# Altium PCB Kasli-DIOT.PCBDOC (part 20 of 21) (continued)
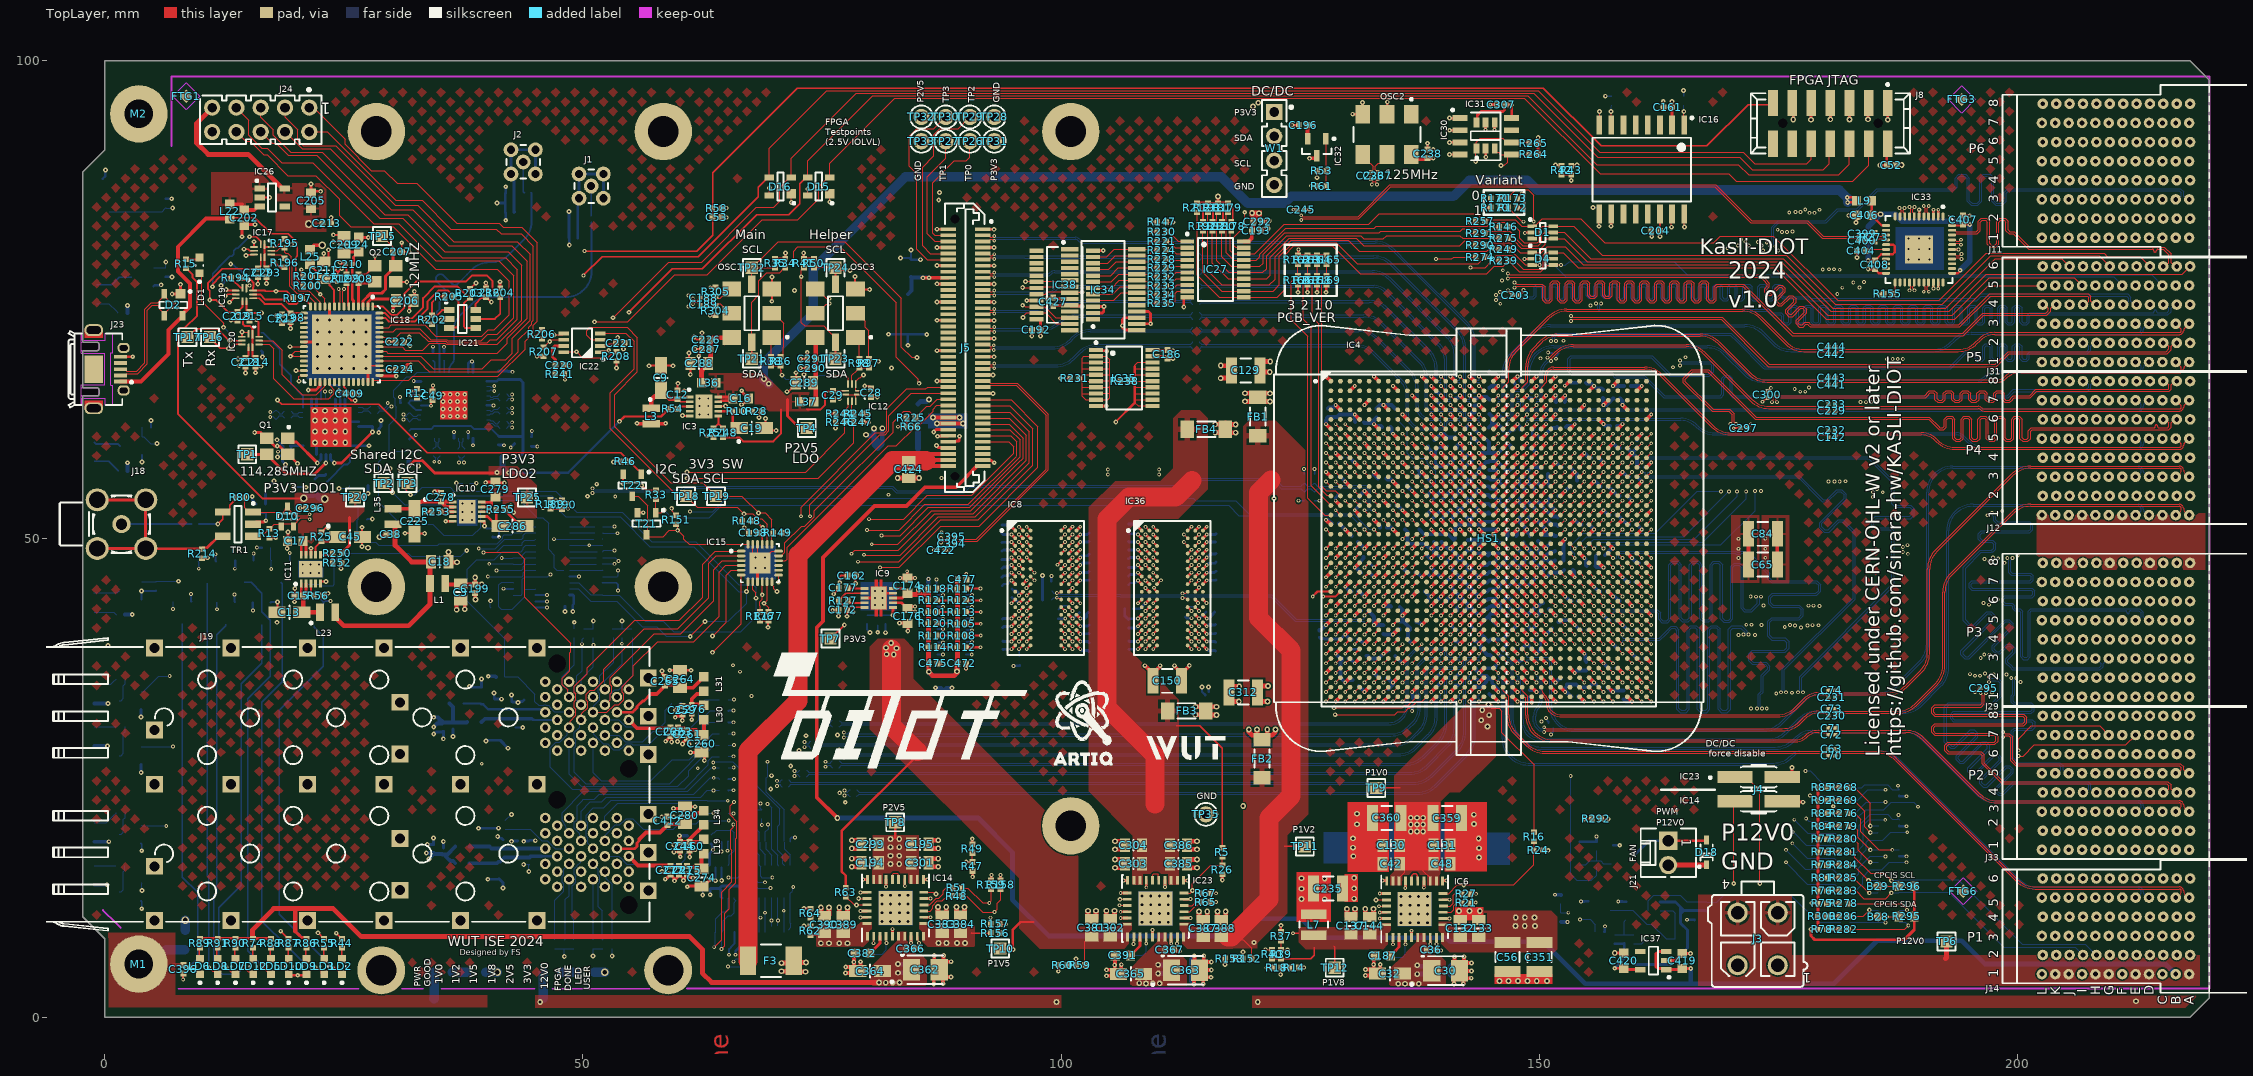
[diagram p0: TopLayer view]
## Nets (pads, with @x,y where several pads share a name; then routed paths per layer and width w, separated by ;. In a path a pad name is that pad's centre, name@x,y a point inside that pad or via, vN(x,y) a via of type N, cw(c..) or ccw(c..) an arc to the next point about the centre after c; other vN are vias at no path point) (continued)
  BottomLayer w1: M1.1@3.57,5.55 4.923,5.55 6.427,7.054 R68.1@8.385,7.054 ; 34.425,1.95 34.45,1.95 R72.2@34.45,4.7
SYSEN_N: IC4.AP3 R286.1 R300.1 | length 64.7
  TopLayer w0.127: v1(129.7,33) IC4.AP3@130.2,33.5 ; R300.1@180.065,10.539 v2(180.72,10.539) R286.1@181.375,10.539
  Layer 5 w0.127: v1(129.7,33) 129.7,32.075 129.95,31.825 129.95,30.5 129.95,28.761 134.959,23.752 142.834,23.752 146.281,20.305 170.954,20.305 v2(180.72,10.539)
TxD_2V5: IC4.U9 IC20.4 TP17.1 | length 146.1
  TopLayer w0.127: v1(135.7,50) IC4.U9@136.2,50.5
  TopLayer w0.15: TP17.1@8.65,71.1 9.55,72 11.775,72 v2(13.036,70.739) IC20.4@14.34,70.739
  Layer 3 w0.1: v2(13.036,70.739) 17.315,70.739 17.864,71.287 20.751,74.175 28.525,74.175 28.96,74.61 31.365,74.61 31.466,74.509 31.814,74.509 32.673,73.65 33.6,73.65 36.525,70.725 43.95,70.725 45.175,69.5 48.425,69.5 51.175,66.75 61.55,66.75 65.775,70.975 78.525,70.975 80.9,68.6 v2(80.9,68.575)
  layer 8 w0.1: v2(80.9,68.575) 80.9,67.225 84.95,63.175 97.175,63.175 104.25,56.1 119.855,56.1 121.85,54.105 121.85,54.059 122.084,53.825 122.13,53.825 124.255,51.7 125.955,50 v1(135.7,50)
UART.CTS1: IC4.AL4 J5.63 | length 101.3
  TopLayer w0.127: v6(78.075,48.45) 78.425,48.8 82.95,48.8 86.792,52.642 90.791,52.642 96.358,58.209 96.358,60.842 94.566,62.634 91.863,62.634 J5.63@91.8,62.697 ; v1(130.7,36) IC4.AL4@131.2,36.5
  Layer 6 w0.127: v6(78.075,48.45) 76.7,48.45 73.848,45.598 73.848,41.877 81.716,34.009 93.334,34.009 93.4,34.075 110.925,34.075 112.525,35.675 122.625,35.675 122.9,35.4 130.1,35.4 v1(130.7,36)
UART.CTS2: IC4.AK8 J5.69 | length 108.7
  TopLayer w0.127: v6(79.693,50.925) 83.05,50.925 85.748,53.623 90.285,53.623 95.281,58.619 95.377,58.715 95.377,60.148 94.733,60.792 J5.69@91.8,60.792 ; v1(134.7,37) IC4.AK8@135.2,37.5
  Layer 6 w0.127: v6(79.693,50.925) 76.875,50.925 72.222,46.272 72.222,41.203 80.775,32.65 112.125,32.65 113.075,33.6 133.814,33.6 134.325,34.111 134.325,36.625 v1(134.7,37)
UART.RTS1: IC4.AL3 J5.61 | length 100.3
  TopLayer w0.127: v6(79.375,48.35) 79.425,48.3 83.15,48.3 87.165,52.315 91.04,52.315 96.685,57.96 96.685,61.19 94.606,63.269 91.863,63.269 J5.61@91.8,63.332 ; v1(129.7,36) IC4.AL3@130.2,36.5
  Layer 6 w0.127: v6(79.375,48.35) 79.05,48.025 76.8,48.025 74.219,45.444 74.219,42.031 81.175,35.075 97.063,35.075 97.638,34.5 110.475,34.5 111.877,35.902 123.098,35.902 123.364,35.636 128.851,35.636 129.214,36 v1(129.7,36)
UART.RTS2: IC4.AJ8 J5.71 | length 113.1
  TopLayer w0.127: v6(79.9,52.07) 79.927,52.043 83.518,52.043 86.02,54.545 90.65,54.545 95.05,58.945 95.05,59.65 94.543,60.157 J5.71@91.8,60.157 ; IC4.AJ8@135.2,38.5 v1(135.7,39)
  Layer 6 w0.127: v6(79.9,52.07) 77.395,52.07 71.78,46.455 71.78,41.02 80.775,32.025 112.8,32.025 114,33.225 116.5,33.225 117.7,32.025 124.925,32.025 126.263,33.363 134.838,33.363 135.275,33.8 135.275,37.089 135.375,37.189 135.375,37.45 135.336,37.489 135.336,38.636 v1(135.7,39)
UART.RX1: IC4.AK6 J5.59 | length 103
  TopLayer w0.127: v6(78.754,47.625) 83.044,47.625 87.407,51.988 91.313,51.988 97.012,57.687 97.012,61.538 94.646,63.904 91.863,63.904 J5.59@91.8,63.967 ; v1(132.7,37) IC4.AK6@133.2,37.5
  Layer 6 w0.127: v6(78.754,47.625) 77.05,47.625 74.679,45.254 74.679,42.221 81.43,35.47 100.83,35.47 101.1,35.2 110.1,35.2 111.105,36.205 113.415,36.205 113.619,36.409 131.431,36.409 131.514,36.493 131.668,36.493 131.811,36.636 131.851,36.636 132.214,37 v1(132.7,37)
UART.RX2: IC4.AL7 J5.67 | length 105.6
  TopLayer w0.127: v6(81.2,50.35) 83.175,50.35 86.121,53.296 90.421,53.296 95.512,58.388 95.608,58.483 95.704,58.579 95.704,60.371 94.647,61.427 J5.67@91.8,61.427 ; v1(133.7,36) IC4.AL7@134.2,36.5
  Layer 6 w0.127: v6(81.2,50.35) 77.05,50.35 72.752,46.052 72.752,41.423 81.025,33.15 111.375,33.15 112.25,34.025 122.5,34.025 122.838,34.363 132.888,34.363 133.232,34.707 133.232,35.532 v1(133.7,36)
UART.TX1: IC4.AK5 J5.57 | length 102.9
  TopLayer w0.127: v6(81.051,47.025) 83.089,47.025 87.414,51.35 91.425,51.35 97.569,57.494 97.569,61.731 94.761,64.539 91.863,64.539 J5.57@91.8,64.602 ; v1(131.7,37) IC4.AK5@132.2,37.5
  Layer 6 w0.127: v6(81.051,47.025) 76.975,47.025 75.05,45.1 75.05,42.375 80.725,36.7 86.3,36.7 87.303,35.697 91.463,35.697 91.866,36.1 106.875,36.1 108.175,37.4 113.85,37.4 114.614,36.636 131.336,36.636 v1(131.7,37)
UART.TX2: IC4.AJ6 J5.65 | length 111.3
  TopLayer w0.127: v6(80.193,49.45) 82.925,49.45 86.444,52.969 90.556,52.969 95.744,58.156 95.839,58.252 95.935,58.348 96.031,58.444 96.031,60.519 94.551,61.999 91.863,61.999 J5.65@91.8,62.062 ; v1(132.7,38) IC4.AJ6@133.2,38.5
  Layer 6 w0.127: v6(80.193,49.45) 76.95,49.45 73.318,45.818 73.318,41.657 81.35,33.625 109.725,33.625 109.825,33.725 111.225,33.725 112.432,34.932 116.182,34.932 116.5,35.25 122.45,35.25 123.075,34.625 129.925,34.625 130.725,35.425 131.639,35.425 132.063,35.849 132.063,35.878 132.739,36.554 132.804,36.554 133.05,36.8 133.05,36.864 133.804,37.618 133.832,37.618 134.3,38.086 134.3,39.2 133.975,39.525 132.675,39.525 132.175,39.025 132.175,38.525 v1(132.7,38)
USB_D_R_N: D2.3 IC18.7 J23.2 | length 41.1
  TopLayer w0.129: J23.2@1.65,67.1 2.125,67.1 2.322,67.297 3.431,67.297 4.446,68.312 4.446,73.916 4.957,74.427 5.518,74.427 5.752,74.193 5.752,73.992 D2.3@6.222,73.523 ; D2.3@6.222,73.323 D2.3@6.222,73.523 ; v6(7.55,74.19) 7.477,74.19 7.355,74.312 7.007,74.312 6.501,73.806 6.501,73.802 D2.3@6.222,73.523 ; IC18.7@25.015,74.308 25.015,74.622 24.893,74.744 24.893,75.331 24.882,75.342 24.882,75.913 25.019,76.05 v1(25.019,76.124)
  layer 8 w0.102: v6(7.55,74.19) 7.623,74.19 7.759,74.326 8.475,74.326 11.899,77.75 18.55,77.75 19.129,77.171 26.675,77.171 26.9,76.946 26.9,75.623 26.127,74.85 25.369,74.85 24.854,75.365 24.854,75.915 25.019,76.08 v1(25.019,76.124)
USB_D_R_P: D2.2 IC18.8 J23.3 | length 42.2
  TopLayer w0.129: J23.3@1.65,67.75 2.125,67.75 2.322,67.553 3.325,67.553 4.19,68.418 4.19,74.022 4.851,74.683 5.518,74.683 5.752,74.917 5.752,74.953 D2.2@6.222,75.423 ; D2.2@6.222,75.623 D2.2@6.222,75.423 ; v6(7.55,74.69) 7.477,74.69 7.363,74.577 7.011,74.577 6.457,75.131 6.457,75.187 6.278,75.366 6.222,75.366 D2.2@6.222,75.423 ; v1(24.46,76.124) 24.46,76.078 24.626,75.913 24.626,75.236 24.637,75.225 24.637,74.744 24.515,74.622 IC18.8@24.515,74.308
  layer 8 w0.102: v6(7.55,74.69) 7.623,74.69 7.759,74.555 8.38,74.555 11.804,77.979 18.645,77.979 19.224,77.4 26.77,77.4 27.129,77.041 27.129,75.528 26.222,74.621 25.274,74.621 24.625,75.27 24.625,75.915 24.46,76.08 v1(24.46,76.124)
USB_TCK: IC17.9 IC18.12 R195.1 | length 9.9
  TopLayer w0.125: IC17.9@17.41,80.137 18.034,80.137 18.326,80.429 R195.1@18.796,80.429 ; R195.1@18.818,80.407 18.818,79.957 18.9,79.875 19.126,79.875 19.296,79.705 19.475,79.526 19.475,79.1 19.625,78.95 19.625,76.591 20.27,75.946 21.336,75.946 22.515,74.767 IC18.12@22.515,74.308
USB_TDI_DO: IC17.8 IC18.13 R196.1 | length 8.5
  TopLayer w0.125: IC17.8@17.41,79.737 18.396,79.737 R196.1@18.796,79.337 19.325,78.808 19.325,76.433 20.066,75.692 21.037,75.692 22.015,74.714 IC18.13@22.015,74.308
USB_TDO_DI: IC18.14 IC19.9 R197.1 | length 7.1
  TopLayer w0.2: IC19.9@15.505,75.565 16.26,75.565 16.797,75.028 18.825,75.028 19.304,74.549 20.028,74.549 R197.1@20.663,75.184 20.766,75.184 21.515,74.435 IC18.14@21.515,74.308
USB_TMS: IC18.15 IC19.8 R198.1 | length 6
  TopLayer w0.2: IC19.8@15.505,75.165 16.129,75.165 16.719,74.575 18.478,74.575 R198.1@19.431,73.622 19.445,73.608 IC18.15@20.815,73.608
VCCAUX: C55.2 C98.2 C117.2 C118.2 C119.2 C151.2 C152.2 C158.2 C235.2 C240.2 C313.2 C314.2 C368.2 C369.2 C370.2 C371.2 C372.2 IC4.AA13 IC4.AA23 IC4.AB12 IC4.AB22 IC4.AC13 IC4.AC23 IC4.AD12 IC4.M22 IC4.N13 IC4.N23 IC4.P12 IC4.P22 IC4.R13 IC4.R23 IC4.T12 IC4.T22 IC4.U13 IC4.U23 IC4.V12 IC4.V22 IC4.W13 IC4.W23 IC4.Y12 IC4.Y22 L4.1 L7.2 | length 43.8
  TopLayer w0.4: v1(138.7,43) IC4.AD12@139.2,43.5 ; v1(138.7,45) IC4.AB12@139.2,45.5 ; v1(138.7,47) IC4.Y12@139.2,47.5 ; v1(138.7,49) IC4.V12@139.2,49.5 ; v1(138.7,52) IC4.T12@139.2,51.5 ; v1(138.7,54) IC4.P12@139.2,53.5 ; v1(139.7,44) IC4.AC13@140.2,44.5 ; v1(139.7,46) IC4.AA13@140.2,46.5 ; v1(139.7,48) IC4.W13@140.2,48.5 ; v1(139.7,51) IC4.U13@140.2,50.5 ; v1(139.7,53) IC4.R13@140.2,52.5 ; v1(139.7,55) IC4.N13@140.2,54.5 ; IC4.AB22@149.2,45.5 v1(149.7,45) ; IC4.Y22@149.2,47.5 v1(149.7,47) ; IC4.V22@149.2,49.5 v1(149.7,49) ; IC4.T22@149.2,51.5 v1(149.7,52) ; IC4.P22@149.2,53.5 v1(149.7,54) ; IC4.M22@149.2,55.5 v1(149.7,56) ; IC4.AC23@150.2,44.5 v1(150.7,44) ; IC4.AA23@150.2,46.5 v1(150.7,46) ; IC4.W23@150.2,48.5 v1(150.7,48) ; IC4.U23@150.2,50.5 v1(150.7,51) ; IC4.R23@150.2,52.5 v1(150.7,53) ; IC4.N23@150.2,54.5 v1(150.7,55)
  BottomLayer w0.4: L4.1@135.95,51 136.2,50.75 136.2,49.76 136.46,49.5 137.966,49.5 138.376,49.09 138.61,49.09 v1(138.7,49) C118.2@139.075,48.625 ; v1(138.7,43) v1(139.7,44) ; v1(138.7,47) v1(139.7,46) 139.667,46 139.5,46.167 139.167,46.5 C119.2@139.05,46.5 ; v1(138.7,52) v1(139.7,53) ; v1(138.7,54) v1(139.7,55) ; C118.2@138.95,48.5 139.2,48.5 139.5,48.2 v1(139.7,48) ; v1(149.7,47) v1(150.7,48) ; v1(149.7,49) 149.85,48.85 150,48.7 150,48.525 C369.2@150.025,48.525 ; v1(149.7,52) v1(150.7,51) 150.7,50.781 150.493,50.574 C152.2@150.493,50.418 151.463,50.418 151.588,50.293 C151.2@151.743,50.293 ; v1(149.7,56) 150.2,55.5 C372.2@150.35,55.5 ; C371.2@150.35,53.5 150.325,53.5 149.825,54 v1(149.7,54) v1(150.7,53) 151.365,52.335 151.815,52.335 C314.2@151.925,52.225 ; v1(150.7,46) 150.748,46 150.983,46.234 ; C368.2@151.05,46.5 152.328,46.5 C240.2@152.599,46.771 ; C158.2@151.625,47.75 151.55,47.675 150.95,47.675 150.7,47.925 v1(150.7,48) ; C313.2@151.625,48.725 151.56,48.66 151.081,48.66 150.7,48.279 v1(150.7,48)
  other v3: 127.55,12.325 125.125,12.35 127.55,13.4 125.125,13.425 127.55,14.5 125.125,14.525
VCCBRAM: C56.2 C99.2 C120.2 C121.2 C122.2 C132.2 C133.2 C145.2 C351.2 C353.2 C354.2 IC4.AA21 IC4.AB20 IC4.AC21 IC4.M20 IC4.N21 IC4.P20 IC4.R21 IC4.T20 IC4.U21 IC4.V20 IC4.W21 IC4.Y20 IC6.1 IC6.32 R31.2 | length 71.1
  TopLayer w0.4: IC4.AB20@147.2,45.5 v1(147.7,45) ; IC4.Y20@147.2,47.5 v1(147.7,47) ; IC4.V20@147.2,49.5 v1(147.7,49) ; IC4.T20@147.2,51.5 v1(147.7,52) ; IC4.P20@147.2,53.5 v1(147.7,54) ; IC4.M20@147.2,55.5 v1(147.7,56) ; IC4.AC21@148.2,44.5 v1(148.7,44) ; IC4.AA21@148.2,46.5 v1(148.7,46) ; IC4.W21@148.2,48.5 v1(148.7,48) ; IC4.U21@148.2,50.5 v1(148.7,51) ; IC4.R21@148.2,52.5 v1(148.7,53) ; IC4.N21@148.2,54.5 v1(148.7,55)
  Layer 6 w0.4: v1(148.7,55) 148.2,54.5 148.2,20 148.975,19.225 148.975,9.525
  BottomLayer w0.4: v1(147.7,49) v1(148.7,48) 148.375,47.675 148.375,47.5 C122.2@148.35,47.5 148.211,47.5 147.711,47 v1(147.7,47) v1(148.7,46) v1(147.7,45) v1(148.7,44) ; C99.2@148.35,53.5 C99.2@148.375,53.5 ; C354.2@148.375,56.5 148.2,56.5 v1(147.7,56) 148.199,55.501 148.199,55.499 148.697,55 v1(148.7,55) v1(147.7,54) v1(148.7,53) v1(147.7,52) v1(148.7,51) 148.7,50.742 148.993,50.449 C145.2@148.993,50.293 ; v1(151.625,12.8) 152.225,12.8 R31.2@152.25,12.775
  other v3: 147.495,9.537 148.47,9.537 149.554,9.537 147.531,10.426 148.481,10.426 149.481,10.426
VREF_DDR3: C162.2 C163.2 C164.2 C165.2 C166.2 C167.2 C168.2 C169.2 C177.2 IC4.AA7 IC4.AH8 IC4.AJ3 IC4.Y6 IC8.H1 IC8.M8 IC9.6 IC36.H1 IC36.M8 | length 137.1
  TopLayer w0.2: C177.2@77.594,44.825 78.469,44.825 ; v2@78.469,45.325 78.469,44.825 ; v2(78.494,45.35) 78.494,46.094 C162.2@78.575,46.175 ; IC9.6@79.419,44.825 78.469,44.825
  TopLayer w0.24: v1(129.7,38) IC4.AJ3@130.2,38.5 ; v1(132.7,47) IC4.Y6@133.2,47.5 ; v1(134.7,39) IC4.AH8@135.2,39.5
  TopLayer w0.3: v1(94.8,45.672) IC8.H1@95.2,45.272 ; IC8.M8@100.8,42.078 v1(101.2,41.678) ; v1(108.025,45.672) IC36.H1@108.425,45.272 ; IC36.M8@114.025,42.078 v1(114.425,41.678)
  TopLayer w0.4: v1(133.7,46) IC4.AA7@134.2,46.5
  Layer 6 w0.2: 96.175,45.3 96.202,45.273 96.567,45.273 ; 113.289,41.297 114.031,41.297
  Layer 6 w0.254: v2(78.494,45.35) 94.478,45.35 94.5,45.372 v1(94.8,45.672) 95.172,45.3 96.175,45.3 ; 96.567,45.273 96.569,45.275 96.9,45.275 97.35,44.825 99.8,44.825 100.531,44.094 102.156,44.094 102.886,43.364 ; v1(101.2,41.678) 102.886,43.364 ; 107.425,45.55 107.425,44.75 108.333,43.842 109.682,43.842 110.334,43.19 110.334,42.416 111.45,41.3 113.275,41.3 113.284,41.291 ; v1(108.025,45.672) 105.195,45.672 102.886,43.364 ; 114.031,41.297 114.412,41.678 v1(114.425,41.678)
  layer 8 w0.24: v2(78.494,45.35) 79.1,44.744 79.1,38.85 82.475,35.475 130.791,35.475 131.175,35.859 131.175,38.5 ; v1(129.7,38) 129.73,38 130.23,38.5 131.175,38.5 ; v1(132.7,47) v1(133.7,46) 134.147,45.553 134.147,39.553 v1(134.7,39) 134.2,38.5 131.175,38.5
  BottomLayer w0.24: C164.2@93.825,45.1 94.015,45.29 94.396,45.29 94.778,45.672 v1(94.8,45.672) ; C166.2@107.054,45.225 107.231,45.401 107.724,45.401 107.995,45.672 v1(108.025,45.672) ; v1(129.7,38) 130.158,38.458 131.144,38.458 C168.2@131.244,38.358 ; C163.2@132.243,47.507 132.243,47.482 132.7,47.025 v1(132.7,47) ; v1(134.7,39) 135.169,39.469 135.171,39.469 C167.2@135.361,39.659
  BottomLayer w0.3: v1(101.2,41.678) 101.21,41.687 101.262,41.687 C169.2@101.9,42.325 ; v1(114.425,41.678) 114.435,41.687 114.462,41.687 C165.2@115.15,42.375
VTT_DDR3: C173.2 C174.2 C471.2 C472.2 C473.2 C474.2 C475.2 C476.2 C477.2 C478.2 IC9.3 IC9.5 R101.2 R102.2 R103.2 R104.2 R105.2 R106.2 R107.2 R108.2 R109.2 R110.2 R111.2 R112.2 R113.2 R114.2 R115.2 R116.2 R117.2 R118.2 R119.2 R120.2 R121.2 R122.2 R123.2 R124.2 R126.2 R298.2 | length 68.7
  TopLayer w0.3: IC9.3@82.419,43.825 83.39,43.825 C174.2@83.886,44.321 ; IC9.5@82.419,44.825 83.381,44.825 C174.2@83.886,44.321 ; C174.2@83.936,44.321 C174.2@83.886,44.321
  TopLayer w0.5: C174.2@83.936,44.321 84.056,44.2 85.097,44.2 ; v3(85.1,44.725) 85.097,44.722 85.097,44.2 ; R118.2@86.11,44.81 86.138,44.782 86.138,44.2 ; C477.2@89.19,45.762 89.172,45.744 89.172,37.009 C472.2@89.153,36.991 89.093,36.931 89.093,35.993 88.8,35.7 86.522,35.7 86.522,35.739 86.166,36.095 v3(86.166,36.122) C475.2@86.166,36.981 86.138,37.009 86.138,44.2 ; 85.097,44.2 86.138,44.2
  Layer 6 w0.2: 94.5,46.074 94.632,46.074 94.634,46.072 95.228,46.072 95.25,46.05
  Layer 6 w0.3: v1(86.125,45.8) 86.125,46.5 86.625,47 92.85,47 93.776,46.074 94.5,46.074 ; 95.25,46.05 95.407,46.05 95.42,46.037 95.895,46.037 96.858,47 97.725,47 98.05,46.675 v5(98.05,46.175)
  BottomLayer w0.3: v5(98.05,46.175) 98.063,46.162 98.063,45.562 C471.2@98.075,45.55 98.065,45.54 98.065,43.635 R298.2@98.055,43.625
  BottomLayer w0.5: v3(85.1,44.725) 85.127,44.725 85.394,44.992 86.051,44.992 C473.2@86.111,45.052 ; C473.2@86.111,45.052 C473.2@86.111,45.052 ; v1(86.125,45.8) 86.11,45.785 C473.2@86.111,45.052 ; C476.2@89.19,45.762 89.172,45.744 89.172,37.009 C478.2@89.153,36.991 89.153,36.053 88.8,35.7 86.522,35.7 86.185,36.037 86.185,36.103 v3(86.166,36.122) 86.166,36.926 86.138,36.954 86.138,37.902 R115.2@86.11,37.93 R119.2@86.11,42.91 R111.2@86.11,44.155 C473.2@86.111,45.052
  other v3: 89.121,36.161
VUSB_PRESENT: IC18.11 R200.2 R201.2 T14.1 | length 30.2
  TopLayer w0.125: R201.2@21.679,77.47 21.679,76.434 22.528,75.585 v2(22.531,75.585) 23.015,75.101 IC18.11@23.015,74.308
  layer 8 w0.125: v2(22.531,75.585) 21.71,75.585 18.75,72.625 18.75,67.675 19.3,67.125 19.3,59.775 23.788,55.287 v2(24.487,55.287)
  BottomLayer w0.125: v2@24.487,55.252 v2(24.487,55.287) 25.387,55.287 25.625,55.525 T14.1@25.625,55.575
XADC_GND: C51.1 C339.1 IC4.T17 IC4.U17 IC4.U18 IC4.V17 IC4.V18 L5.2 | length 15
  TopLayer w0.4: v1(143.7,49) IC4.V17@144.2,49.5 ; v1(143.7,51) IC4.U17@144.2,50.5 ; v1(143.7,52) IC4.T17@144.2,51.5 ; IC4.V18@145.2,49.5 v1(145.7,49) ; IC4.U18@145.2,50.5 v1(145.7,51)
  Layer 3 w0.4: v1(143.7,49) v1(145.7,49) v1(145.7,51) v1(143.7,51) v1(143.7,52)
  BottomLayer w0.4: C339.1@142.55,49.9 L5.2@144,49.9 143.7,49.6 v1(143.7,49) ; v1(143.7,51) v1(145.7,51)
XADC_VCC: C51.2 C339.2 IC4.T18 L4.2 | length 11
  TopLayer w0.4: IC4.T18@145.2,51.5 v1(145.7,52)
  BottomLayer w0.4: L4.2@137.45,51 137.95,50.5 140.45,50.5 C339.2@141.05,49.9 141.2,50.05 141.2,51.207 141.493,51.5 143.907,51.5 144.212,51.805 C51.2@144.796,51.805 145.505,51.805 v1(145.7,52)
pads on no net: D1.3 D4.5 D6.5 FTG1.1 FTG2.1 FTG3.1 FTG4.1 FTG5.1 FTG6.1 IC1.1 IC1.7 IC1.8 IC1.11 IC1.13 IC1.21 IC1.28 IC1.29 IC1.30 IC1.33 IC2.2 IC2.3 IC2.4 IC2.9 IC2.11 IC2.12 IC2.13 IC2.14 IC2.15 IC2.27 IC2.30 IC2.33 IC2.34 IC2.35 IC3.4 IC4.A2 IC4.A3 IC4.A4 IC4.A5 IC4.A7 IC4.A8 IC4.A9 IC4.A10 IC4.A25 IC4.A27 IC4.A28 IC4.A29 IC4.A30 IC4.A32 IC4.A33 IC4.A34 IC4.AA4 IC4.AB11 IC4.AC11 IC4.AD8 IC4.AD9 IC4.AD10 IC4.AD11 IC4.AD23 IC4.AE6 IC4.AE8 IC4.AE10 IC4.AE11 IC4.AF4 IC4.AF7 IC4.AF9 IC4.AF10 IC4.AF12 IC4.AF24 IC4.AG7 IC4.AG9 IC4.AG10 IC4.AG11 IC4.AG12 IC4.AH9 IC4.AH11 IC4.AJ5 IC4.AJ24 IC4.AJ25 IC4.AJ26 IC4.AJ30 IC4.AK11 IC4.AK25 IC4.AK26 IC4.AK27 IC4.AK31 IC4.AL24 IC4.AL25 IC4.AL27 IC4.AM4 IC4.AM25 IC4.AM26 IC4.AN26 IC4.AN31 IC4.AP25 IC4.AP26 IC4.AP31 IC4.B1 IC4.B2 IC4.B4 IC4.B5 IC4.B6 IC4.B7 IC4.B9 IC4.B10 IC4.B11 IC4.B25 IC4.B26 IC4.B27 IC4.B29 IC4.B30 IC4.B31 IC4.B32 IC4.B34 IC4.C1 IC4.C2 IC4.C3 IC4.C4 IC4.C6 IC4.C7 IC4.C8 IC4.C9 IC4.C11 IC4.C26 IC4.C27 IC4.C28 IC4.C29 IC4.C31 IC4.C32 IC4.C33 IC4.C34 IC4.D1 IC4.D3 IC4.D4 IC4.D5 IC4.D6 IC4.D8 IC4.D9 IC4.D10 IC4.D11 IC4.D24 IC4.D25 IC4.D26 IC4.D28 IC4.D29 IC4.D30 IC4.D31 IC4.D33 IC4.D34 IC4.E1 IC4.E2 IC4.E3 IC4.E5 IC4.E6 IC4.E7 IC4.E8 IC4.E10 IC4.E11 IC4.E25 IC4.E26 IC4.E27 IC4.E28 IC4.E30 IC4.E31 IC4.E32 IC4.E33 IC4.F4 IC4.F5 IC4.F7 IC4.F8 IC4.F9 IC4.F10 IC4.F24 IC4.F25 IC4.F27 IC4.F28 IC4.F29 IC4.F30 IC4.F32 IC4.F33 IC4.F34 IC4.G14 IC4.G20 IC4.H12 IC4.H14 IC4.H20 IC4.L7 IC4.L23 IC4.M4 IC4.M5 IC4.M6 IC4.M7 IC4.M9 IC4.M26 IC4.N3 IC4.P9 IC4.R3 IC4.R7 IC4.R11 IC4.T2 IC4.T3 IC4.T4 IC4.T5 IC4.T24 IC4.U2 IC4.U7 IC4.U24 IC4.V24 IC4.V31 IC4.V32 IC4.V33 IC4.V34 IC4.W5 IC4.W24 IC4.W25 IC4.W28 IC4.W29 IC4.Y11 IC4.Y25 IC4.Y26 IC4.Y27 IC4.Y28 IC8.J1 IC8.J9 IC8.L1 IC8.L9 IC8.M7 IC10.4 IC11.4 IC16.3 IC16.4 IC16.5 IC16.6 IC16.11 IC16.12 IC16.13 IC18.17 IC18.18 IC18.19 IC18.20 IC18.25 IC18.26 IC18.29 IC18.30 IC18.34 IC18.35 IC18.37 IC18.38 IC18.39 IC18.40 IC18.54 IC24.11 IC24.14 IC24.19 IC25.11 IC25.14 IC25.19 IC26.4 IC31.7 IC33.1 IC33.11 IC33.13 IC33.19 IC33.20 IC33.21 IC33.24 IC33.25 IC33.28 IC33.33 IC33.35 IC33.36 IC34.1 IC34.2 IC34.3 IC34.4 IC34.5 IC34.11 IC34.14 IC34.19 IC34.20 IC36.J1 IC36.J9 IC36.L1 IC36.L9 IC36.M7 IC37.4 IC38.1 IC38.13 IC38.14 IC38.15 IC38.16 IC38.17 J5.16 J5.22 J5.24 J5.28 J5.30 J5.34 J5.36 J5.38 J5.40 J5.44 J5.46 J5.48 J5.50 J5.62 J5.73 J5.75 J5.P1 J5.P2 J8.12 J8.14 J8.15 J8.16 J14.E4 J14.F4 J14.K2 J19.MECH1 J19.MECH2 J19.MECH3 J19.MECH4 J23.4 J23.PastePad J33.A1 J33.B1 J33.B2 J33.C2 J33.D1 J33.E1 J33.E2 J33.F2 J33.G1 J33.H1 J33.H2 J33.I2 J33.J1 J33.K1 J33.K2 J33.L2 LD11.3 LD13.3 LD14.3 LD15.3 LD16.3 LD17.3 LD18.3 OSC2.1

## Polygon pours and split planes (outlines as drawn)
no net on TopLayer "Copper_balancing" (solid, pour order 454): 0.05,98.725 219.339,98.725 220.089,97.975 220.089,2.24 0.05,2.24 0.05,8.175 -2.25,10.475 -2.25,88.35 0.05,90.65
P3V3_LDO1 on TopLayer "P3V3_LDO1_L01_P399" (solid, pour order 399): 19.85,54.85 27.15,54.85 27.15,52.875 26,51.725 23.09,51.725 23.09,51.015 21.425,49.35 19.85,49.35
P1V0 on TopLayer "P1V0" (solid, remove dead copper, pour order 338): 134.825,21.85 134.825,25.225 142.272,32.672 145.119,32.672 145.45,32.341 145.45,32.13 145.45,27.25 141.7,23.5 140.65,23.5 139.65,22.5 139.65,21.65
P1V2 on TopLayer "P1V2_L01_P430" (solid, remove dead copper, pour order 430): 120.5,7.2 120.5,7.75 123.625,10.875 123.625,19.025 125.825,21.225 125.825,25.7 125.825,58.975 122.425,62.375 119.625,62.375 119.05,61.8 119.05,10.8 117.5,9.25 117.5,7.2
P12V0 on TopLayer "P12V0_L01_P350" (solid, remove dead copper, pour order 350): 219.05,2.9 219.025,2.925 166.6,2.925 166.6,12.8 176.4,12.8 176.4,6.5 219.05,6.5
P1V8 on TopLayer "P1V8_L01_P427" (solid, remove dead copper, pour order 427): 134.462,9.809 134.462,9.081 134.158,8.777 134.158,7.612 133.663,7.117 125.558,7.117 124.825,7.85 124.825,9.417 132.913,9.417 133.313,9.817
P3V3_LDO2 on TopLayer "P3V3_LDO2_L01_P398" (solid, pour order 398): 40.15,52.1 45.15,52.1 45.15,55.6 43.15,57.6 40.15,57.6
P1V5 on TopLayer "P1V5_L01_P428" (solid, remove dead copper, pour order 428): 101.8,7.175 97.75,7.175 95.625,9.3 95.625,14.5 80,30.125 80,38.725 80.825,39.55 83.575,39.55 84.55,38.575 84.55,35.4 101.8,18.15 101.8,9.475
P2V5_LDO on TopLayer "P2V5_LDO_L01_P353" (solid, remove dead copper, pour order 353): 63.15,67.35 63.15,65.6 63.9,64.85 63.9,64.35 67.15,64.35 67.4,64.1 68.65,64.1 69.4,63.35 73.65,63.35 73.65,65.35 70.9,65.35 68.9,67.35
P5V0_CLK on TopLayer "P5V0_CLK_L01_P446" (solid, remove dead copper, pour order 446): 85.175,9.942 85.175,9.214 85.48,8.91 85.48,7.953 86.047,7.386 90.886,7.386 90.95,7.45 90.95,9.55 86.725,9.55 86.325,9.95
MGTAVCC on TopLayer "MGTAVCC_L01_P441" (solid, pour order 441): 107.453,13.85 107.502,19.125 112.3,19.125 112.3,13.869
P1V0 on TopLayer "P1V0_L01_P437" (solid, remove dead copper, pour order 437): 134.38,13.792 139.562,13.792 139.562,14.917 139.646,15.001 139.646,15.86 134.803,15.86 134.8,15.863 134.8,15.275 134.38,14.855
GND on TopLayer "GND_L01_P440" (solid, pour order 440): 173.275,52.475 173.275,45.375 176.15,45.375 176.125,52.475
P2V5 on TopLayer "P2V5_L01_P438" (solid, pour order 438): 170.05,52.476 170.05,45.4 172.975,45.4 172.975,52.476
MGTAVCC on TopLayer "MGTAVCC_L01_P431" (solid, remove dead copper, pour order 431): 112.3,18.9 112.3,33.2 107.225,38.275 107.225,51.125 108.2,52.1 112.25,52.1 115.35,55.2 115.35,62.6 114.475,63.475 112.575,63.475 111.7,62.6 111.7,57.375 110.375,56.05 105.65,56.05 102.9,53.3 102.9,23.61 107.525,18.9
P12V0 on TopLayer "P12V0_L01_P420" (solid, remove dead copper, pour order 420): 82.85,8.925 82.857,8.918 82.857,7.982 80.037,5.163 80.037,3.533 80.412,3.158 85.687,3.158 85.937,3.408 85.937,5.958 85.387,6.508 84.888,6.508 84.308,7.088 84.308,7.772 84.069,7.772 83.8,8.041 83.8,8.925
P12V0 on TopLayer "P12V0_L01_P418" (solid, pour order 418): 137.138,8.792 137.145,8.785 137.145,7.849 134.325,5.03 134.325,3.4 134.7,3.025 139.975,3.025 140.225,3.275 140.225,5.825 139.675,6.375 139.176,6.375 138.596,6.955 138.596,7.639 138.357,7.639 138.087,7.908 138.087,8.792
P12V0 on TopLayer "P12V0_L01_P419" (solid, pour order 419): 110.05,8.85 110.057,8.843 110.057,7.907 107.238,5.087 107.238,3.458 107.613,3.083 112.888,3.083 113.138,3.333 113.138,5.883 112.588,6.433 112.088,6.433 111.508,7.013 111.508,7.697 111.269,7.697 111,7.966 111,8.85
P3V3 on TopLayer "P3V3_L01_P426" (solid, remove dead copper, pour order 426): 80.175,9.942 80.175,9.214 79.87,8.91 79.87,7.953 79.303,7.386 74.464,7.386 74.4,7.45 74.4,9.55 78.625,9.55 79.025,9.95
P1V5 on TopLayer "P1V5_L01_P422" (solid, remove dead copper, pour order 422): 107.375,9.867 107.375,9.139 107.07,8.835 107.07,7.67 106.575,7.175 101.8,7.175 101.6,7.375 101.6,9.475 105.825,9.475 106.225,9.875
P1V2 on TopLayer "P1V2_L01_P421" (solid, remove dead copper, pour order 421): 112.375,9.867 112.375,9.139 112.68,8.835 112.68,7.67 113.175,7.175 117.95,7.175 118.15,7.375 118.15,9.475 113.925,9.475 113.525,9.875
P2V5 on TopLayer "P2V5_L01_P413" (solid, pour order 413): 80.253,13.925 80.3,19 85.1,19 85.1,13.944
VCCBRAM on TopLayer "VCCBRAM_L01_P417" (solid, remove dead copper, pour order 417): 139.462,11.125 139.462,9.05 139.738,8.775 139.738,7.687 140.65,6.775 151.55,6.775 151.875,7.1 151.875,10.5 151.25,11.125
NetC202_2 on TopLayer "NETC202_2_L01_P352" (solid, remove dead copper, pour order 352): 17.15,88.35 11.15,88.35 11.15,83.85 17.15,83.85
P3V3_USB on TopLayer "P3V3_USB_L01_P351" (solid, pour order 351): 23.15,82.1 17.876,82.1 17.876,87.202 23.15,87.202
GND on TopLayer "GND_L01_P416" (solid, remove dead copper, pour order 416): 202,52.7 202,46.775 219.775,46.775 219.775,52.7
STRIP1 on TopLayer "esd1" (solid, pour order 404): 217.533,1 217.55,1 218.79,2.24 120,2.24 120,1
STRIP3 on TopLayer "NONET_L04_P-001" (solid, remove dead copper, pour order 408): 0.361,2.161 0.361,8.84 7.35,8.84 7.35,2.19
STRIP2 on TopLayer "STRIP2_L01_P406" (solid, pour order 406): 82.933,1 100,1 100,2.28 45,2.28 45,1
STRIP3 on TopLayer "esd1" (solid, pour order 400): 0.319,2.28 40,2.28 40,1.05 0.319,1.05
no net on BottomLayer "Copper_balancing" (solid, pour order 435): -0.325,98 219.714,98 219.714,2.32 -0.325,2.32 -0.325,8.52 -2.625,10.82 -2.625,88.05 -0.325,90.35
GND on BottomLayer "GND_L10_P407" (solid, remove dead copper, pour order 407): 202,52.7 202,46.775 219.775,46.775 219.775,52.7
STRIP1 on BottomLayer "STRIP1_L10_P402" (solid, pour order 402): 217.533,1 217.55,1 218.79,2.24 120,2.24 120,1
STRIP3 on BottomLayer "NONET_L04_P-001" (solid, remove dead copper, pour order 405): 0.361,8.84 0.361,2.15 7.35,2.15 7.35,8.85 7.34,8.85
STRIP2 on BottomLayer "esd1" (solid, pour order 403): 82.933,1 100,1 100,2.269 45,2.269 45,1
STRIP3 on BottomLayer "esd1" (solid, pour order 401): 0.319,2.27 40,2.27 40,1.05 0.319,1.05
NetC23_2 on BottomLayer "NETC23_2_L10_P383" (solid, pour order 383): 21.15,59.85 19.431,59.85 19.431,57.1 20.65,55.6 22.65,55.6 24.15,57.85 24.15,59.35
no net on layer 8 "Copper_balancing" (solid, pour order 455): 0.05,98.725 219.339,98.725 220.089,97.975 220.089,2.24 0.05,2.24 0.05,8.175 -2.25,10.475 -2.25,88.35 0.05,90.65
P1V0 on layer 8 "P1V0_L08_P450" (solid, pour order 450): 147.7,55 147.7,27.85 141.425,21.575 141.425,16.675 140.05,15.3 135.7,15.3 133.365,17.635 133.365,29.94 134.7,31.275 134.7,55
P12V0 on layer 8 "P12V0_L08_P436" (solid, pour order 436): 149.175,8.575 153.425,12.825 180.85,12.825 185.154,8.521
P12V0 on layer 8 "SignalLayer1-P12V0" (solid, pour order 439): 69.9,3.35 219.05,3.275 219.05,6.5 187.2,6.5 185.075,8.625 69.9,8.625 69.9,6.5
MGTAVTT_G11 on layer 8 "MGTAVTT_G11_L08_P448" (solid, pour order 448): 129.725,67.513 129.725,59.8 150.585,59.8 150.585,67.458
MGTAVTT_G11 on Layer 6 "MGTAVTT_G11_L06_P456" (solid, pour order 456): 119.834,63 118.779,64.055 118.765,64.055 118.765,65.86 122.806,69.9 144.208,69.9 144.208,63 135.46,63 120.404,63
no net on Layer 6 "Copper_balancing" (solid, pour order 457): 0.05,98.725 219.339,98.725 220.089,97.975 220.089,2.24 0.05,2.24 0.05,8.175 -2.25,10.475 -2.25,88.35 0.05,90.65
P1V0 on Layer 6 "P1V0" (solid, remove dead copper, pour order 415): 134.704,18.675 134.825,25.225 142.53,32.93 144.861,32.93 145.45,32.341 145.45,32.13 145.45,27.25 141.7,23.5 139.65,21.45 139.65,18.675
P12V0 on Layer 6 "P12V0_L06_P410" (solid, pour order 410): 79.975,3 218.575,3 219.125,3.55 219.125,5.414 218.039,6.5 201,6.5 194.55,12.95 154.375,12.95 153.475,12.05 153.475,9.025 151.6,7.15 80.5,7.15 79.975,6.625
P5V0_CLK on Layer 6 "P5V0_CLK_L06_P411" (solid, pour order 411): 27.675,51.225 27.675,3.6 79.775,3.6 79.775,15.049 62.488,15.049 58.287,12.32 44.339,12.32 44.339,51.225
P3V3_USB on Layer 6 "P3V3_USB_L06_P434" (solid, pour order 434): 13.55,83.9 27.75,83.9 33.45,78.2 43.5,78.2 49.75,71.95 49.75,64.95 48.725,63.925 13.4,63.925

## Text inside footprints (layer, text, board x,y; h text height)
J33: TopOverlay "8" at 197.989,31.15 h1 r90; TopOverlay "7" at 197.989,29.15 h1 r90; TopOverlay "6" at 197.989,27.15 h1 r90; TopOverlay "5" at 197.989,25.15 h1 r90; TopOverlay "4" at 197.989,23.15 h1 r90; TopOverlay "3" at 198.025,21.375 h1 r90; TopOverlay "2" at 197.95,19.9 h1 r90; TopOverlay "1" at 197.975,17.575 h1 r90; Mechanical14 "A" at 218.439,15.3 h1 r90; Mechanical14 "B" at 217.039,15.3 h1 r90; Mechanical14 "C" at 215.639,15.3 h1 r90; Mechanical14 "D" at 214.239,15.3 h1 r90; Mechanical14 "E" at 212.839,15.3 h1 r90; Mechanical14 "F" at 211.439,15.3 h1 r90; Mechanical14 "8" at 197.989,31.15 h1 r90; Mechanical14 "7" at 197.989,29.15 h1 r90; Mechanical14 "6" at 197.989,27.15 h1 r90; Mechanical14 "5" at 197.989,25.15 h1 r90; Mechanical14 "G" at 210.039,15.3 h1 r90; Mechanical14 "H" at 208.639,15.3 h1 r90; Mechanical14 "I" at 207.239,15.55 h1 r90; Mechanical14 "4" at 197.989,23.15 h1 r90; Mechanical14 "3" at 197.989,21.15 h1 r90; Mechanical14 "J" at 205.839,15.3 h1 r90; Mechanical14 "K" at 204.439,15.3 h1 r90; Mechanical14 "2" at 197.989,19.15 h1 r90; Mechanical14 "L" at 203.039,15.3 h1 r90; Mechanical14 "1" at 197.989,17.15 h1 r90; Mechanical8 "Edge of Daugher Card" at 220.789,21.275 h0.5 r90; Mechanical8 "Top Surface of Mother Board" at 232.289,20.125 h0.5 r90